# Altium PCB PCB1.PcbDoc
Units mm, origin at the board's own origin, x right, y up, seen from the top; angles counter-clockwise.
Board outline 98.42 x 77.22 mm, 2 copper layers (Top Layer, Bottom Layer); 33 components, 31 nets, 127 pads, 14 vias.
Unrouted connection lines stored in the file: 1.
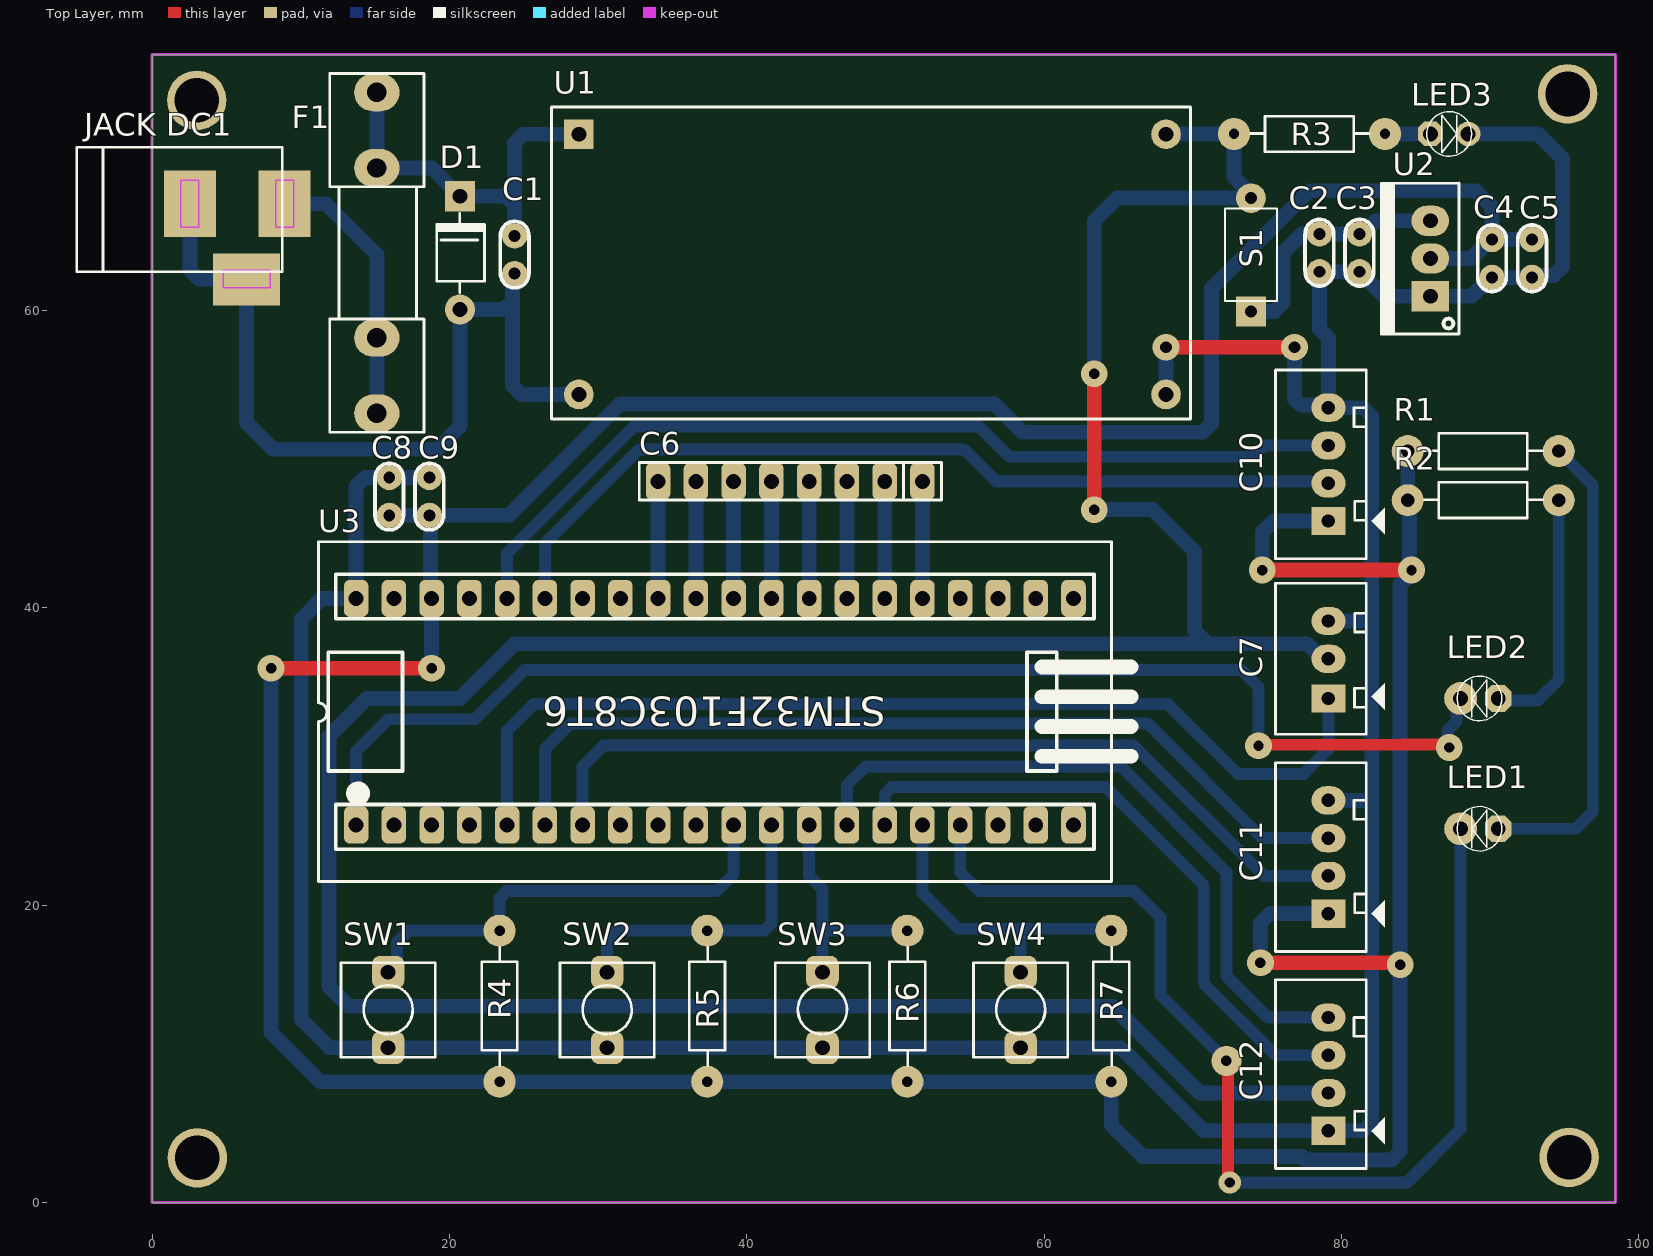
[diagram p0: Top Layer view]
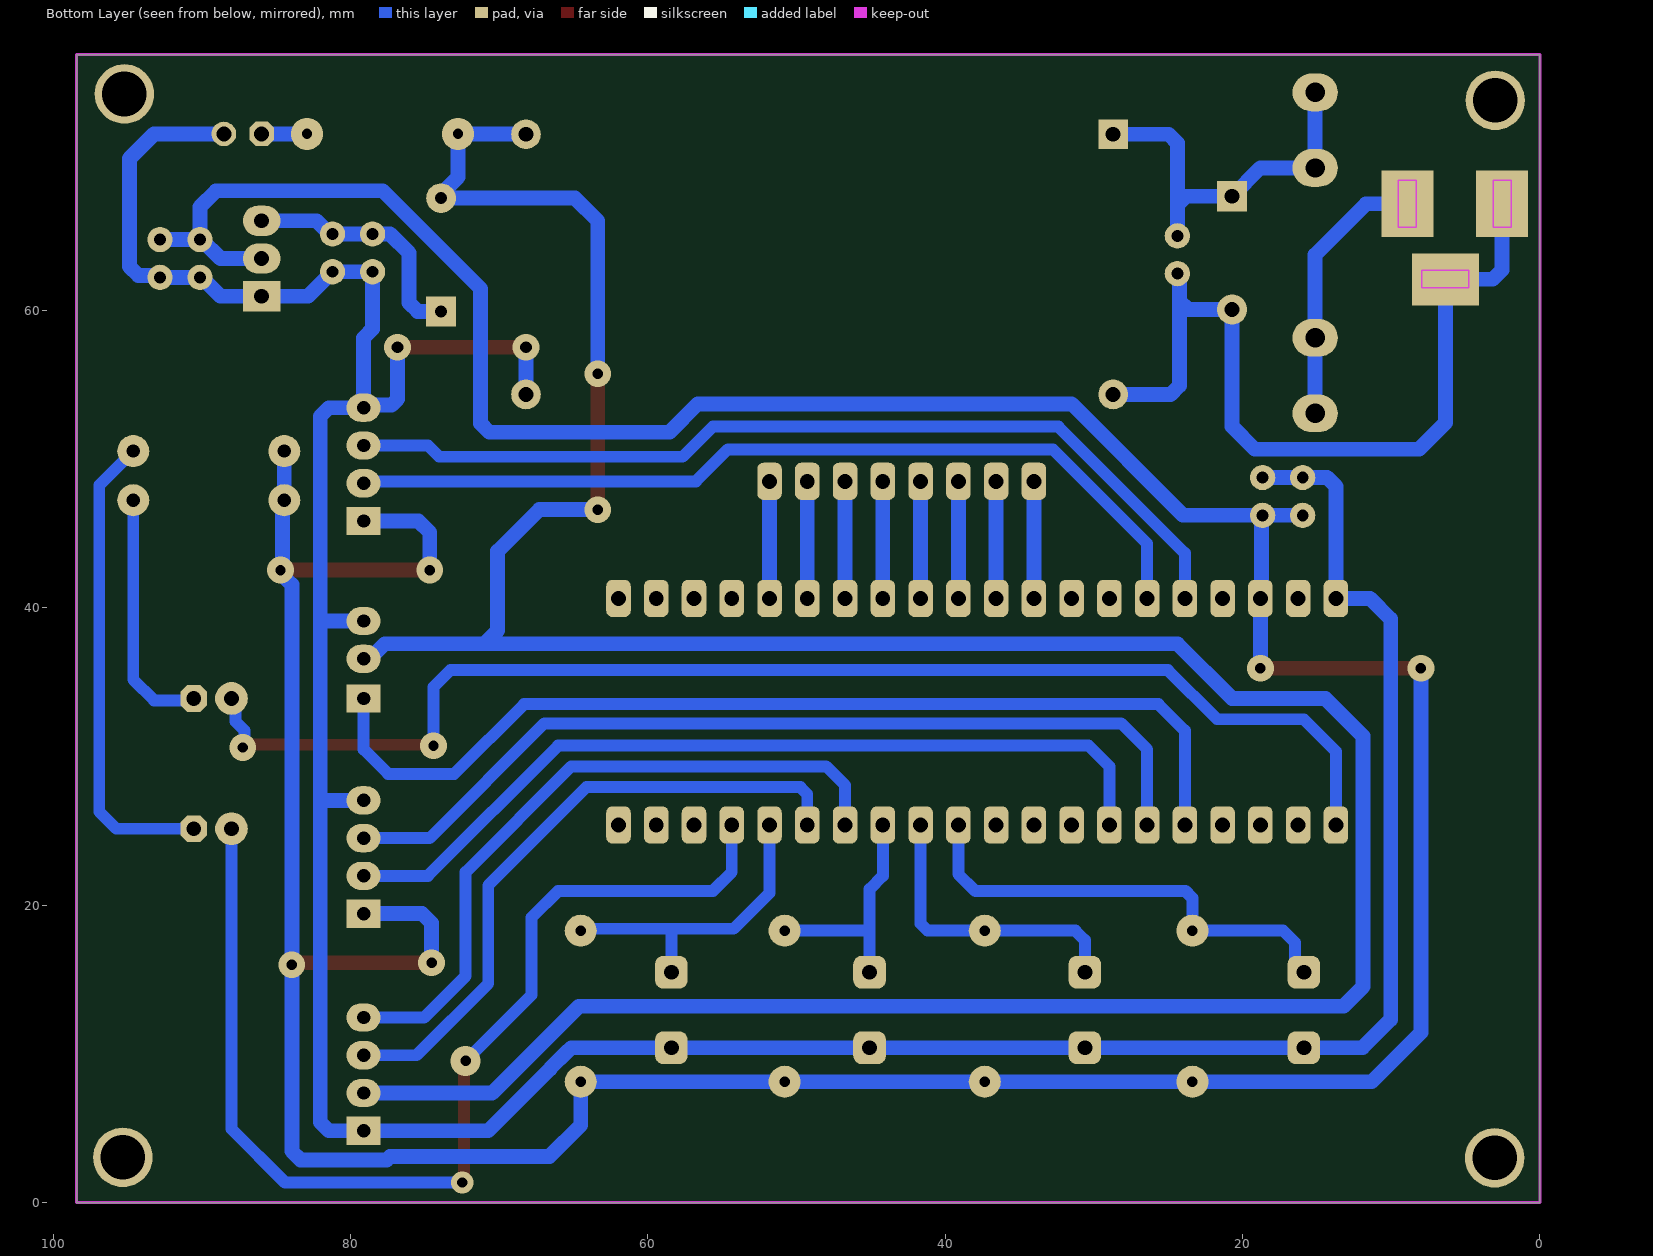
[diagram p1: Bottom Layer view, seen from below]
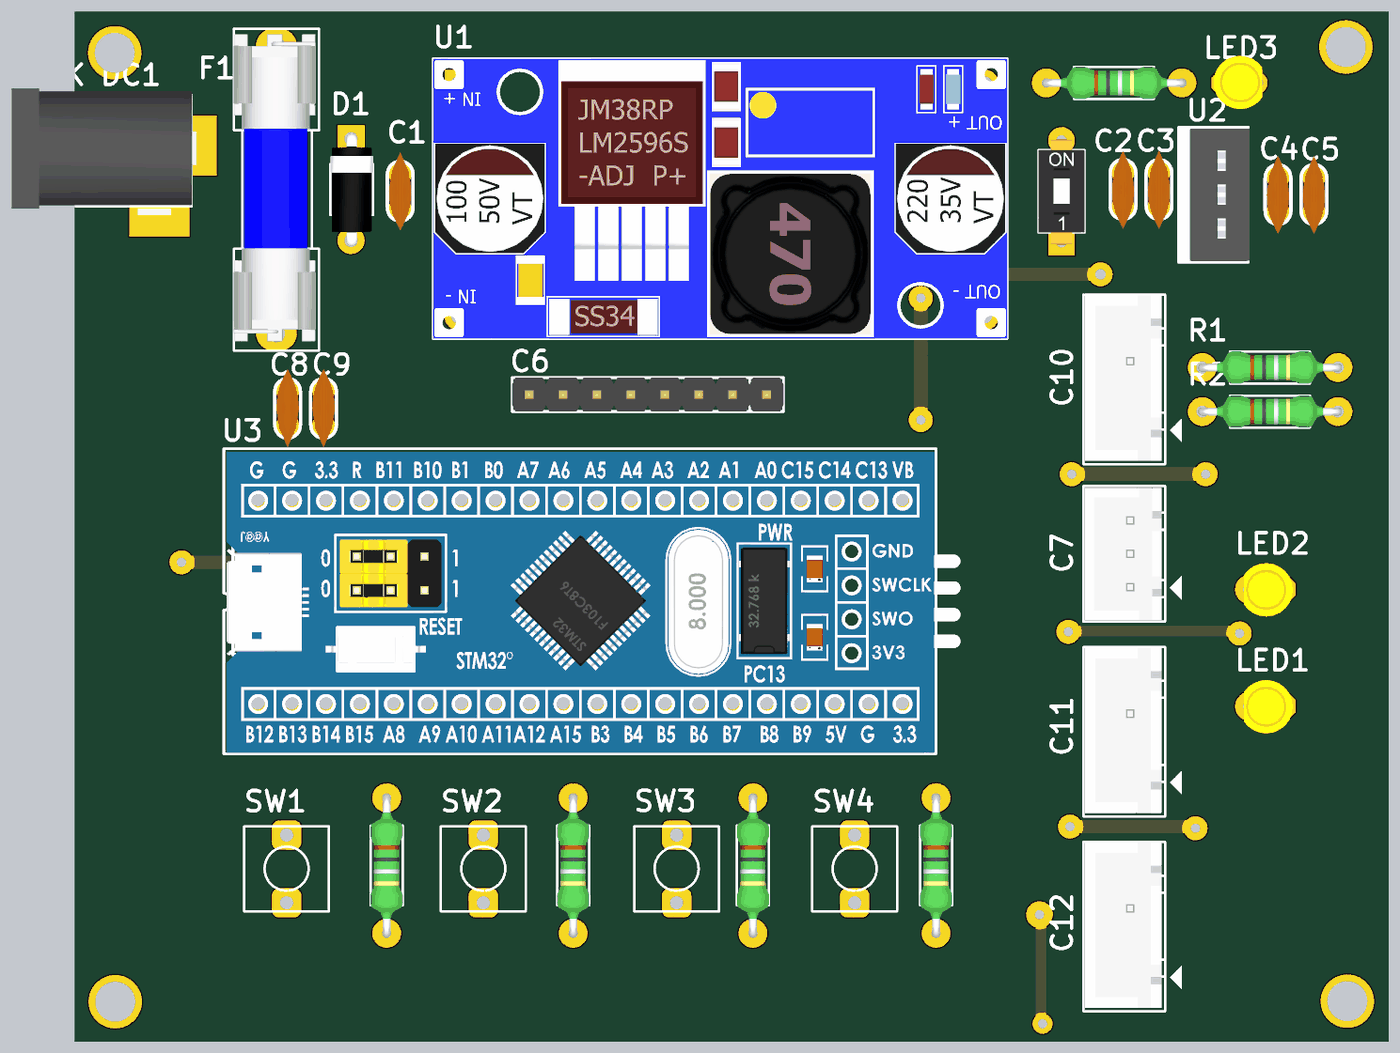
[diagram p2: 3D render of the assembled board from above, using the file's embedded part models]

## Layer stack, top to bottom
Top Solder: solder mask 0.0102, Solder Resist, Dk 3.5
Top Layer: signal copper 0.0356
Dielectric 1: dielectric 0.32, FR-4, Dk 4.8
Bottom Layer: signal copper 0.0356
Bottom Solder: solder mask 0.0102, Solder Resist, Dk 3.5

## Board outline
0,0 0,77.216 98.425,77.216 98.425,0

## Design rules (kind name [scope] priority, off if disabled: settings)
Clearance [All] p1: gap=0.5 ignorepadtopadclearanceinfootprint=FALSE
ComponentClearance [All] p1 off: gap=0.254 collisioncheckmode=3 verticalgap=0.254 showdistances=FALSE
PolygonConnect [All] p1: connectstyle=Relief reliefconductorwidth=0.254 reliefentries=4 polygonreliefangle="90 Angle" airgapwidth=0.254
RoutingVias [All] p1: holewidth=1 width=2 viastyle="Through Hole" minholewidth=0.5 minwidth=1 maxholewidth=1 maxwidth=2
SolderMaskExpansion [All] p1: expansion=0.102 istentingtop=FALSE
Width [All] p1: maxlimit=1.5 minlimit=0.7 preferedwidth=1
29 further rules are at their usual default settings.

## Classes and differential pairs
component class Schematic: C1 C2 C3 C4 C5 C6 C7 C8 C9 C10 C11 C12 D1 F1 "JACK DC1" LED1 LED3 R1 R2 R3 S1 SW1 SW2 SW3 SW4 U1 U2 U3

## Components (designator, comment, footprint, x,y, rotation, side; value= is the part's Value field where it differs from the comment)
C1 "104" "tu gom" 24.384,63.754 r270 top
C2 "104" "tu gom" 78.518,63.881 r270 top
C3 "106" "tu gom" 81.21,63.881 r270 top
C4 "104" "tu gom" 90.126,63.503 r270 top
C5 "106" "tu gom" 92.818,63.503 r270 top
C6 "JP8" JP8-D1T 51.816,48.514 r180 top
C7 "Header3" Header3 79.121,34.036 r90 top
C8 "106" "tu gom" 15.951,47.498 r90 top
C9 "104" "tu gom" 18.644,47.498 r90 top
C10 "Header4" Header4 79.121,45.847 r90 top
C11 "Header4" Header4 79.121,19.431 r90 top
C12 "Header4" Header4 79.121,4.826 r90 top
D1 "100v" "DIODE 1A" 20.701,58.801 r270 top
F1 "520" "De Cau Chi 520 630" 15.113,63.881 r90 top
"JACK DC1" "JACK DC 5.5" "JACK DC 5.5" 5.715,64.643 r0 top value="Jac DC"
LED1 "LED" LED-3MM-YELLOW#1 90.551,25.146 r180 top value="LED 3 ly Single Colour"
LED2 "LED" LED-3MM-YELLOW#1 90.551,33.909 r180 top value="LED 3 ly Single Colour"
LED3 "LED" LED-3MM-YELLOW#2 85.979,71.882 r0 top value="LED 3 ly Single Colour"
R1 "1K" RES-1/4W#1 89.154,50.673 r180 top
R2 "1K" RES-1/4W#1 89.154,47.371 r180 top
R3 "1K" RES-1/4W#2 77.47,72.009 r180 top
R4 "4K7" RES-1/4W#2 23.495,13.589 r90 top
R5 "4K7" RES-1/4W#2 37.465,13.589 r90 top
R6 "4K7" RES-1/4W#2 50.927,13.589 r90 top
R7 "4K7" RES-1/4W#2 64.643,13.589 r90 top
S1 "" SW-DIP1 73.914,63.754 r0 top
SW1 "SW" SW2 15.875,15.494 r270 top value="SW chip 2 pin"
SW2 "SW" SW2 30.607,15.494 r270 top value="SW chip 2 pin"
SW3 "SW" SW2 45.085,15.494 r270 top value="SW chip 2 pin"
SW4 "SW" SW2 58.42,15.494 r270 top value="SW chip 2 pin"
U1 "LM2596" "LM2596 Module" 48.45,63.106 r0 top
U2 "LM1117-3.3V" TO220-123 85.979,60.96 r90 top
U3 "Blue Pill" "Blue Pill STM32F103" 37.846,33.02 r90 top

## Footprints (in the part's own frame and the unit in brackets; to place one, negate y for a bottom-side part, rotate by r counter-clockwise, add the part's x,y. Pads: shape width x height; smd on the part's side, far side on the other; paste and mask are expansions set on the pad)
"Blue Pill STM32F103" [mm]
  rrect50% 2.5x1.65 hole 1: 1(-7.62,24.13) 2(-7.62,21.59) 3(-7.62,19.05) 4(-7.62,16.51) 5(-7.62,13.97) 6(-7.62,11.43) 7(-7.62,8.89) 8(-7.62,6.35) 9(-7.62,3.81) 10(-7.62,1.27) 11(-7.62,-1.27) 12(-7.62,-3.81) 13(-7.62,-6.35) 14(-7.62,-8.89) 15(-7.62,-11.43) 16(-7.62,-13.97) 17(-7.62,-16.51) 18(-7.62,-19.05) 19(-7.62,-21.59) 20(-7.62,-24.13) 21(7.62,-24.13) 22(7.62,-21.59) 23(7.62,-19.05) 24(7.62,-16.51) 25(7.62,-13.97) 26(7.62,-11.43) 27(7.62,-8.89) 28(7.62,-6.35) 29(7.62,-3.81) 30(7.62,-1.27) 31(7.62,1.27) 32(7.62,3.81) 33(7.62,6.35) 34(7.62,8.89) 35(7.62,11.43) 36(7.62,13.97) 37(7.62,16.51) 38(7.62,19.05) 39(7.62,21.59) 40(7.62,24.13)
  silkscreen extent -11.43,-28 11.43,26.67, body extent -11.38,-26.53 11.22,26.47, height 11.1
"De Cau Chi 520 630" [mm] "De Fuse"
  oval 2.54x3.048 hole 1.3: 1(-10.795,0) 1(-5.715,0) 2(5.715,0) 2(10.795,0)
  silkscreen extent -12.06,-3.18 12.06,3.18, body extent -11.38,-2.97 11.66,3.23, height 9.6
"DIODE 1A" [mil] "Diode 1A"
  round 80 hole 39.37: 1(-50,0)
  rect 80x80 hole 39.37: 2(-350,0)
  silkscreen extent -305,-61 -95,65, body extent -366,-61 -34,65, height 122
Header3 [mil] "CON 3"
  rect 75x90 hole 35.43: 1(-5,0)
  oval 75x90 hole 35.43: 2(100,0) 3(200,0)
  silkscreen extent -100,-150 300,140, body extent -95,-90 295,136, height 276
Header4 [mm] "CON4"
  rect 1.905x2.286 hole 0.9: 1(0,0)
  oval 1.905x2.286 hole 0.9: 2(2.54,0) 3(5.08,0) 4(7.62,0)
  silkscreen extent -2.54,-3.8 10.16,3.56, body extent -2.29,-2.29 10.11,3.46, height 7
"JACK DC 5.5" [mm] "Jac DC input"
  rect 3.5x4.5 all layers, no hole: 1(3.175,2.54) 2(-3.175,2.54)
  rect 4.5x3.5 all layers, no hole: 3(0.635,-2.54)
  silkscreen extent -10.79,-2.03 3.05,6.35, body extent -10.42,-2.67 3.4,6.84, height 11.02
JP8-D1T [mm] "8 pins, 1 row, straight, gold plating"
  rrect50% 1.65x2.5 hole 1: 1(0,0) 2(2.54,0) 3(5.08,0) 4(7.62,0) 5(10.16,0) 6(12.7,0) 7(15.24,0) 8(17.78,0)
  silkscreen extent -1.27,-1.27 19.05,1.27, body extent -1.27,-1.27 19.05,1.27, height 8.54
LED-3MM-YELLOW#1 [mm]
  oct 1.8x1.8 hole 1: 1(0,0)
  round 2.2 hole 1: 2(2.54,0)
  silkscreen extent -0.23,-1.5 2.77,1.5, body extent -0.69,-1.97 2.98,2.03, height 4.6
LED-3MM-YELLOW#2 [mm]
  oct 1.651x1.651 hole 1: 1(0,0)
  round 1.651 hole 1: 2(2.54,0)
  silkscreen extent -0.23,-1.5 2.77,1.5, body extent -0.69,-1.97 2.98,2.03, height 4.6
"LM2596 Module" [mm]
  rect 2x2 hole 1: 1(-19.748,8.75)
  round 2 hole 1: 2(-19.748,-8.75) 3(19.748,-8.75) 4(19.748,8.75)
  silkscreen extent -21.6,-10.4 21.4,10.6, body extent -21.6,-10.4 21.4,10.6, height 13.1
RES-1/4W#1 [mil]
  round 85 hole 35: 1(-215,5) 2(185,5)
  silkscreen extent -173,-42 141,52, body extent -227,-42 197,52, height 95
RES-1/4W#2 [mil]
  round 85 hole 27.56: 1(-215,5) 2(185,5)
  silkscreen extent -173,-42 141,52, body extent -227,-42 197,52, height 95
SW2 [mm] "SW button 2pin, 250x 250 mil"
  rrect50% 2.2x2.2 hole 1: 1(0,0) 2(5.08,0)
  silkscreen extent -0.64,-3.17 5.72,3.18
SW-DIP1 [mm]
  rect 2x2 hole 0.8: 1(0,-3.81)
  round 2 hole 0.8: 2(0,3.81)
  silkscreen extent -1.74,-3.1 1.74,3.1, body extent -1.74,-3.98 1.74,3.89, height 3.95
TO220-123 [mm] "TO-220 - 1-2-3"
  rect 2.032x2.54 hole 1: 1(0,0)
  oval 2.032x2.54 hole 1: 2(2.54,0) 3(5.08,0)
  silkscreen extent -2.54,-1.93 7.62,3.3, body extent -2.41,-2.03 7.49,2.47, height 8.2
"tu gom" [mm] "Tu gom mini"
  round 1.7 hole 0.8: 1(-1.27,0) 2(1.27,0)
  silkscreen extent -2.25,-0.97 2.22,0.97, body extent -2.92,-0.85 2.92,0.85, height 6.12

## Part data
C1 C2 C3 C4 C5 C8 C9: library part "Tu gom 104 50V", "Cắm", Chung_Loai=Cắm, Don_Vi=Con, Ma_Hang=MH004761, So_Chan=2, Ten_Linh_Kien="Tụ gốm 104 100nF 50V"
C6: "WR-PHD 2.54 mm Angled Socket Header", Manufacturer="W¨¹rth Elektronik eiSos GmbH", partNo=613008143121, ComponentLink1 Description=Manufacturer, ComponentLink1URL=http://www.we-online.com, ComponentLink2 Description=Datasheet, ComponentLink2URL=http://katalog.we-online.de/em/datasheet/6130xx143121.pdf, Created by="Karrer Zheng", Created Date="29 March 2013", NoPins=08
C7: "Header IDC, 3 x 1 Pin Vertical 2.54mm Pitch (Non-Boxed, Male)", Manufacturer="W¨¹rth Elektronik eiSos GmbH", partNo=613002143121, ComponentLink1 Description=Manufacturer, ComponentLink1URL=http://www.we-online.com, ComponentLink2 Description=Datasheet, ComponentLink2URL=http://katalog.we-online.de/em/datasheet/6130xx143121.pdf, Created by="Karrer Zheng", Created Date="29 March 2013", NoPins=02
C10 C11 C12: "Header IDC, 4 x 1 Pin Vertical 2.54mm Pitch (Non-Boxed, Male)", Manufacturer="W¨¹rth Elektronik eiSos GmbH", partNo=613002143121, ComponentLink1 Description=Manufacturer, ComponentLink1URL=http://www.we-online.com, ComponentLink2 Description=Datasheet, ComponentLink2URL=http://katalog.we-online.de/em/datasheet/6130xx143121.pdf, Created by="Karrer Zheng", Created Date="29 March 2013", NoPins=02
D1: library part "Diode 1N4007", "Cắm", Chung_Loai=Cắm, Don_Vi=Con, Ma_Hang=MH001063, Ten_Linh_Kien="Diode 1N4007 1A (DIP)"
F1: library part "De Cau Chi 520 630", "5x20mm", Ma_Hang=MH001473, Ten="Đế Cầu Chì 5x20MM 6x30MM SMD01"
LED1 LED2 LED3: "LED Single colour Green and Red"
R1 R2 R3 R4 R5 R6 R7: library part Res, "Res", Manufacturer="Generic Components", Class=Passive, Published=08/06/2000, Publisher="Altium Hobart Technology Centre", SubClass=R
S1: library part SWDIP1, "WS-DITV 2.54 mm small compact THT flat actuator with top tape", Manufacturer="Wurth Elektronik", Part No.=418127160901, ComponentLink1 Description=Manufacturer, ComponentLink1URL=http://www.we-online.com, ComponentLink2 Description=Datasheet, ComponentLink2URL=http://katalog.we-online.de/em/datasheet/4181271609xx.pdf, Created by="Baojun Chen", Created Date=Dec.2015, Pole=01
SW1 SW2 SW3 SW4: library part SW2, "Switch button 2 pin"
U1: library part "LM2596 Module", "DC - DC Buck"
U2: library part LM1117, "800mA Low-Dropout Linear Regulator", Creator="Nguyen Ba Bien", Website=http://group3i.net
U3: library part "Blue Pill STM32F103", "Blue Pill STM32F103C8T6"

## Free pads (board coordinates)
  round 4 hole 3 unplated: 3(3,74.14) 3(3.04,3) 3(95.21,74.57) 3(95.32,3.04)

## Via types
v1: diameter 1.8, hole 0.7, Top Layer to Bottom Layer, 10 vias
v2: diameter 1.8, hole 0.8, Top Layer to Bottom Layer, 2 vias
v3: diameter 1.5, hole 0.7, Top Layer to Bottom Layer, 1 vias
v4: diameter 2, hole 0.7, Top Layer to Bottom Layer, 1 vias

## Nets (pads, with @x,y where several pads share a name; then routed paths per layer and width w, separated by ;. In a path a pad name is that pad's centre, name@x,y a point inside that pad or via, vN(x,y) a via of type N, cw(c..) or ccw(c..) an arc to the next point about the centre after c; other vN are vias at no path point)
12GND: "JACK DC1.2" "JACK DC1.3" C1.2 D1.1 U1.2 | length 57.8
  Bottom Layer w1: 2.54,67.183 2.54,62.738 3.175,62.103 6.35,62.103 6.35,52.451 8.128,50.673 19.177,50.673 20.701,52.197 D1.1 23.664,60.071 24.25,60.657 ; C1.2 24.25,62.35 24.25,60.657 ; U1.2 24.836,54.356 24.25,54.942 24.25,60.657
+3.3: C4.1 C5.1 C8.1 C9.1 C10.1 C11.1 R1.2 R2.2 R4.1 R5.1 R6.1 R7.1 U2.2 U3.38 | length 309
  Top Layer w1: v1(8.001,35.941) v1(18.796,35.941) ; v1(74.549,16.129) 83.747,16.129 83.874,16.002 v1(83.947,16.002) ; v1(74.676,42.545) v1(84.709,42.545)
  Bottom Layer w1: v1(8.001,35.941) 8.001,11.43 11.303,8.128 R4.1 R5.1 R6.1 R7.1 64.516,5.207 66.623,3.1 77.337,3.1 77.564,2.873 83.361,2.873 83.947,3.459 83.947,41.567 84.709,42.329 v1(84.709,42.545) 84.582,42.672 84.582,47.117 R2.2 R1.2 ; C8.1 C9.1 ; v1(18.796,35.941) U3.38 18.72,40.716 18.72,46.152 C9.1 ; v1(74.549,16.129) 74.549,18.796 75.184,19.431 C11.1 ; v1(74.676,42.545) 74.676,45.085 75.438,45.847 C10.1 ; U2.2 88.749,63.5 90.022,64.773 C4.1 ; C5.1 C4.1 ; C9.1 24.003,46.228 31.496,53.721 56.642,53.721 58.547,51.816 70.661,51.816 71.247,52.402 71.247,61.468 77.835,68.056 89.043,68.056 90.126,66.973 C4.1
+5: C7.2 C12.2 R3.2 S1.2 U1.4 | length 211.7
  Top Layer w1: v1(63.373,46.609) v1(63.373,55.753)
  Bottom Layer w1: v1(63.373,46.609) 67.31,46.609 70.104,43.815 70.104,38.481 70.993,37.592 ; v1(63.373,55.753) 63.373,66.04 64.897,67.564 S1.2 73.914,67.835 72.771,68.978 R3.2 72.758,71.869 68.211,71.869 U1.4 ; C12.2 70.477,7.366 64.635,13.208 13.208,13.208 11.891,14.525 11.891,31.371 14.429,33.909 20.701,33.909 24.384,37.592 70.993,37.592 ; C7.2 78.709,36.576 77.693,37.592 70.993,37.592
+12: "JACK DC1.1" F1.1 | length 18.3
  Bottom Layer w1: 8.89,67.183 11.684,67.183 15.113,63.754 15.113,58.166 F1.1@15.113,53.086
GND: C2.2 C3.2 C4.2 C5.2 C7.3 C8.2 C9.2 C10.4 C11.4 C12.1 LED3.2 SW1.2 SW2.2 SW3.2 SW4.2 U1.3 U2.1 U3.39 U3.40 | length 235.6
  Top Layer w1: v2(68.199,57.531) v2(76.835,57.531)
  Bottom Layer w1: C9.2 C8.2 14.309,48.768 13.716,48.175 U3.40 11.43,40.64 10.033,39.243 10.033,12.319 11.938,10.414 SW1.2 SW2.2 SW3.2 SW4.2 65.151,10.414 65.357,10.208 65.377,10.208 66.596,8.989 66.596,8.969 70.739,4.826 C12.1 81.456,4.826 82.042,5.412 82.042,27.178 ; U1.3 v2(68.199,57.531) v2(68.199,57.531) ; v2(76.835,57.531) 76.835,54.053 77.248,53.64 78.948,53.64 C10.4 ; C11.4@79.248,27.178 C11.4 81.915,27.051 82.042,27.178 ; C7.3@79.294,38.943 C7.3 82.042,39.116 ; LED3.2 93.218,71.882 94.869,70.231 94.869,62.953 94.283,62.367 92.952,62.367 C5.2 C4.2 90.022,62.233 88.749,60.96 U2.1 82.861,60.96 C3.2 C2.2 78.518,58.769 79.121,58.166 C10.4 ; C10.4 81.456,53.467 82.042,52.881 82.042,39.116 ; 82.042,27.178 82.042,39.116
NetC1_1: C1.1 D1.2 F1.2 U1.1 | length 26
  Bottom Layer w1: F1.2@15.113,74.676 15.113,69.596 18.796,69.596 D1.2 23.798,67.691 24.257,67.232 ; C1.1 24.384,71.27 24.97,71.856 U1.1
NetC2_1: C2.1 C3.1 S1.1 U2.3 | length 16.6
  Bottom Layer w1: S1.1 75.487,59.944 76.073,60.53 76.073,63.881 77.343,65.151 C2.1 C3.1 81.4,65.151 82.289,66.04 U2.3 ; C2.1@78.431,65.14 C2.1@78.507,65.14
NetLED1_1: LED1.1 R1.1 | length 32
  Bottom Layer w0.8: LED1.1 95.758,25.146 96.901,26.289 96.901,48.26 R1.1
NetLED2_1: LED2.1 R2.1 | length 16.8
  Bottom Layer w0.8: LED2.1 90.678,33.782 93.218,33.782 94.615,35.179 R2.1
NetLED3_1: LED3.1 R3.1 | length 3
  Bottom Layer w1: R3.1 LED3.1
PA0: C6.1 U3.25 | length 7.9
  Bottom Layer w1: U3.25 C6.1
PA1: C6.2 U3.26 | length 7.9
  Bottom Layer w1: U3.26 C6.2
PA2: C6.3 U3.27 | length 7.9
  Bottom Layer w1: U3.27 C6.3
PA3: C6.4 U3.28 | length 7.9
  Bottom Layer w1: U3.28 C6.4
PA4: C6.5 U3.29 | length 7.9
  Bottom Layer w1: U3.29 C6.5
PA5: C6.6 U3.30 | length 7.9
  Bottom Layer w1: U3.30 C6.6
PA6: C6.7 U3.31 | length 7.9
  Bottom Layer w1: U3.31 C6.7
PA7: C6.8 U3.32 | length 7.9
  Bottom Layer w1: U3.32 C6.8
PA8: C7.1 U3.5 | length 68.5
  Bottom Layer w0.8: U3.5 23.876,31.75 25.654,33.528 68.326,33.528 73.025,28.829 77.47,28.829 79.121,30.48 C7.1@79.121,33.528 ; C7.1@78.74,33.528 C7.1
PA9: C11.3 U3.6 | length 61.7
  Bottom Layer w0.8: U3.6 26.416,30.48 28.164,32.228 66.959,32.228 74.676,24.511 C11.3
PA10: C11.2 U3.7 | length 58.3
  Bottom Layer w0.8: U3.7 28.956,29.337 30.353,30.734 66.04,30.734 74.803,21.971 C11.2
PB3: R4.2 SW1.1 U3.11 | length 31.4
  Bottom Layer w0.8: SW1.1 16.482,16.101 16.482,17.498 17.272,18.288 R4.2 23.368,20.486 23.837,20.955 37.973,20.955 39.116,22.098 U3.11
PB4: R5.2 SW2.1 U3.12 | length 20.3
  Bottom Layer w0.8: SW2.1 30.607,17.653 31.242,18.288 R5.2 41.187,18.288 41.656,18.757 U3.12
PB5: R6.2 SW3.1 U3.13 | length 16
  Bottom Layer w0.8: U3.13 44.196,21.971 45.085,21.082 45.085,18.288 ; SW3.1 45.085,18.288 ; R6.2 45.085,18.288
PB6: C12.4 U3.14 | length 46.7
  Bottom Layer w0.8: U3.14 46.736,28.067 48.006,29.337 65.151,29.337 72.263,22.225 72.263,15.24 75.057,12.446 C12.4
PB7: C12.3 U3.15 | length 43.4
  Bottom Layer w0.8: U3.15 49.276,27.471 49.745,27.94 64.135,27.94 70.739,21.336 70.739,14.732 75.565,9.906 C12.3
PB8: R7.2 SW4.1 U3.16 | length 21.2
  Bottom Layer w0.8: U3.16 51.816,20.828 54.229,18.415 58.42,18.415 ; SW4.1 58.42,18.415 ; R7.2 64.389,18.415 58.42,18.415
PB9: LED1.2 U3.17 | length 75
  Top Layer w0.8: v4(72.263,9.525) 72.378,9.41 72.378,1.465 v3(72.493,1.35)
  Bottom Layer w0.8: U3.17 54.356,22.225 55.626,20.955 66.04,20.955 67.818,19.177 67.818,13.97 v4(72.263,9.525) ; v3(72.493,1.35) 84.408,1.35 88.011,4.953 LED1.2@88.011,25.019 ; LED1.2@87.884,25.146 LED1.2@88.011,25.019 ; LED1.2 LED1.2@88.011,25.019
PB10: C10.2 U3.35 | length 60
  Bottom Layer w0.8: U3.35 26.416,44.323 32.757,50.664 54.619,50.664 56.769,48.514 78.994,48.514 C10.2
PB11: C10.3 U3.36 | length 63
  Bottom Layer w0.8: U3.36 23.876,43.688 32.385,52.197 55.626,52.197 57.658,50.165 74.041,50.165 74.803,50.927 C10.3
PB12: LED2.2 U3.1 | length 89.3
  Top Layer w0.8: v1(74.422,30.734) 74.486,30.797 84.109,30.797 ; 84.11,30.798 87.058,30.798 v1(87.249,30.607)
  Bottom Layer w0.8: U3.1 13.716,30.353 15.872,32.509 21.714,32.509 25.019,35.814 73.279,35.814 74.422,34.671 v1(74.422,30.734) ; v1@87.249,30.878 v1(87.249,30.607) 87.122,30.734 87.122,31.75 87.743,32.371 87.743,33.641 LED2.2
pads on no net: U3.2 U3.3 U3.4 U3.8 U3.9 U3.10 U3.18 U3.19 U3.20 U3.21 U3.22 U3.23 U3.24 U3.33 U3.34 U3.37

## Keep-outs
Keep-Out Layer:
  lines w0.1: 1.94,65.6 3.14,65.6 3.14,68.78 1.94,68.78 1.94,65.6 ; 4.79,61.52 7.95,61.52 7.95,62.71 4.79,62.71 4.79,61.52 ; 8.31,65.62 9.51,65.62 9.51,68.76 8.31,68.76 8.31,65.62
  lines w0.2: 0,0 0,77.216 98.425,77.216 98.425,0 0,0

## Text inside footprints (layer, text, board x,y; h text height)
U3: Top Overlay "STM32F103C8T6" at 49.346,34.02 h2 r180